# Altium PCB 400432.PcbDoc (part 1 of 6)
Units mil, origin at the board's own origin, x right, y up, seen from the top; angles counter-clockwise.
Board outline 5375 x 2500 mil, 4 copper layers (Top Layer, Mid-Layer 1, Mid-Layer 2, Bottom Layer), stack 59.252 mil thick; 366 components, 253 nets, 1494 pads, 1929 vias.
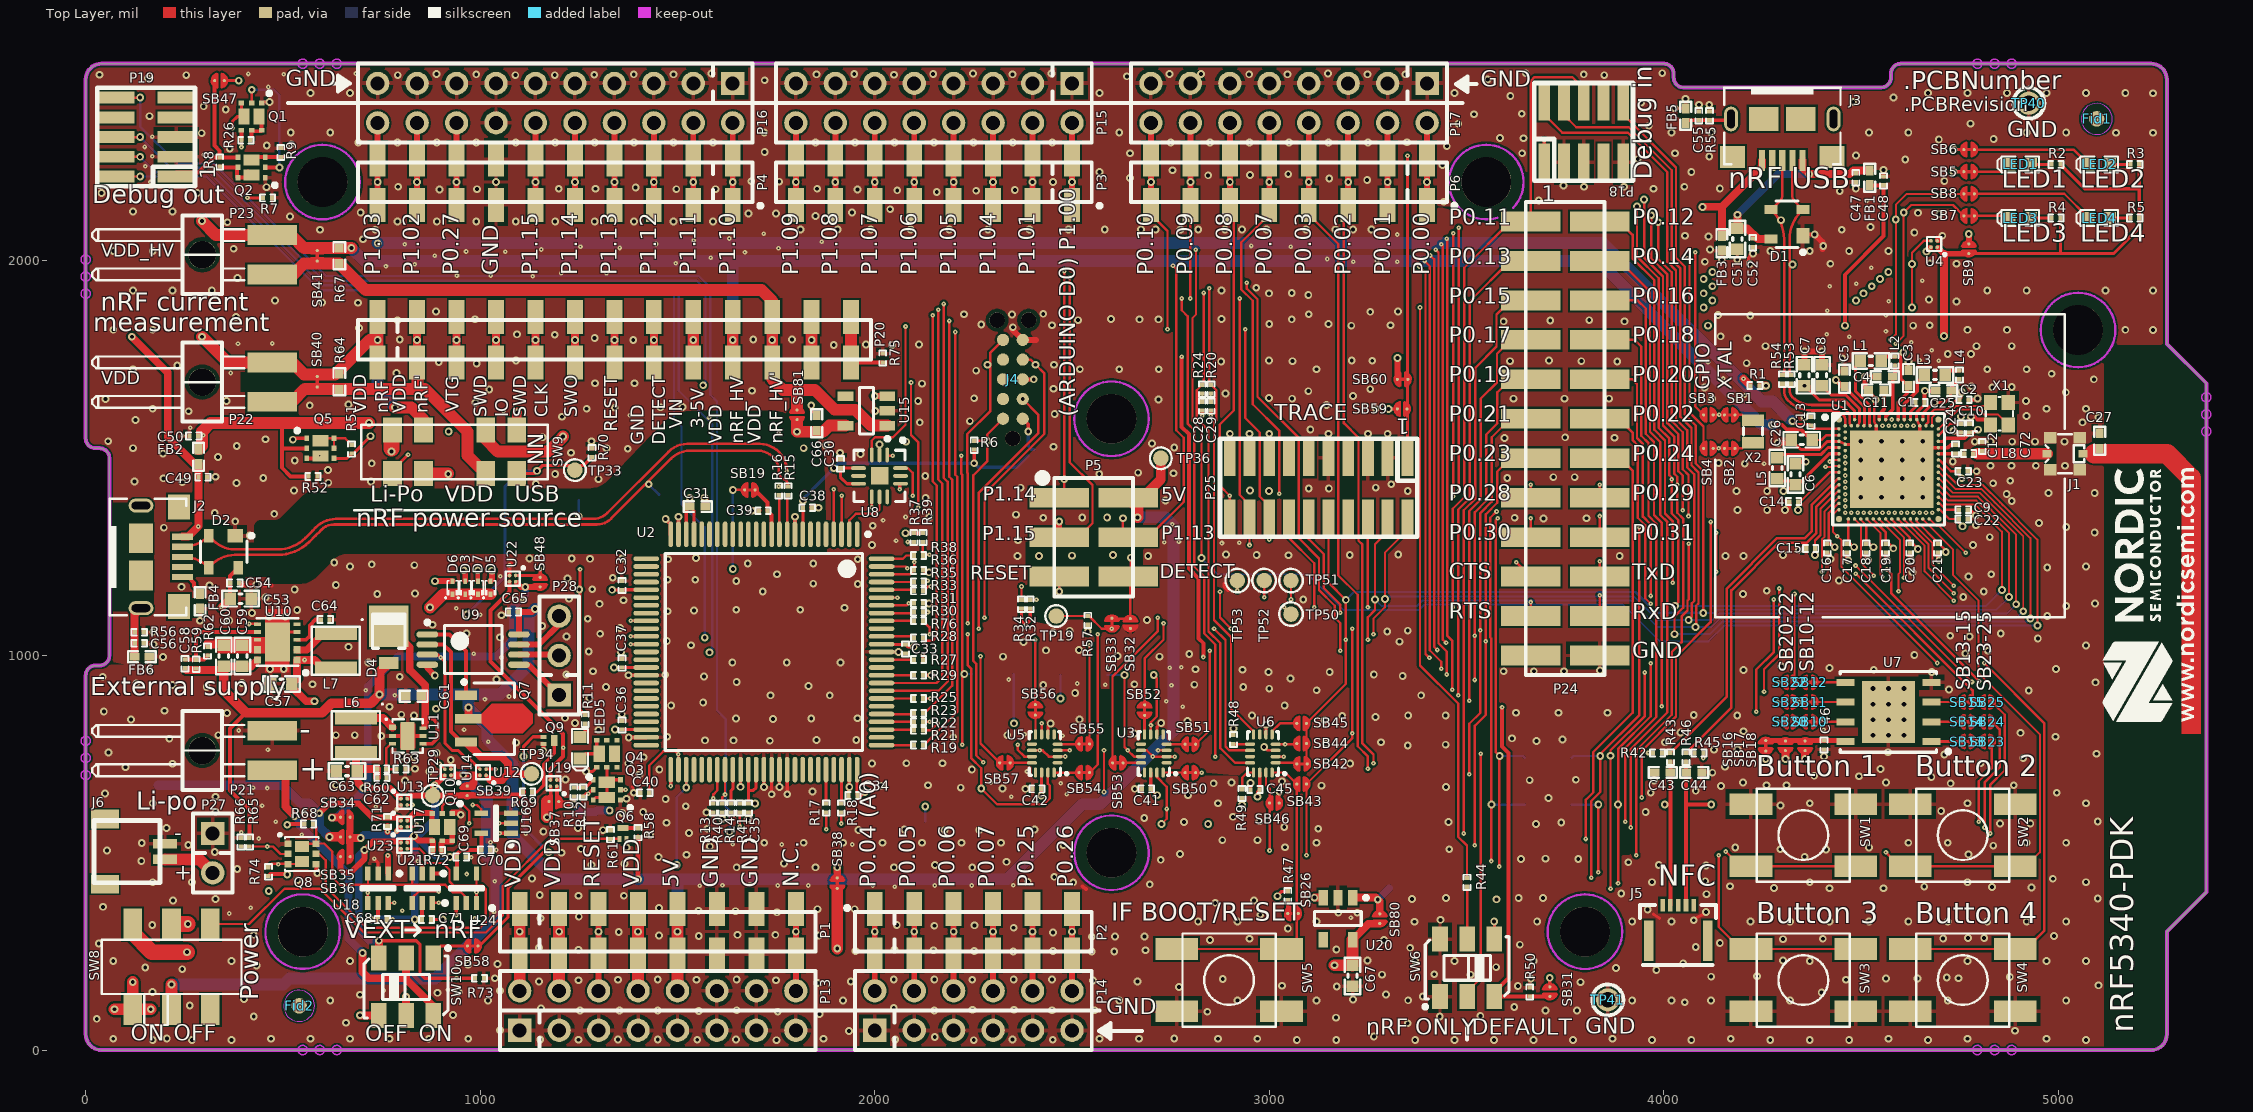
[diagram p0: Top Layer view]
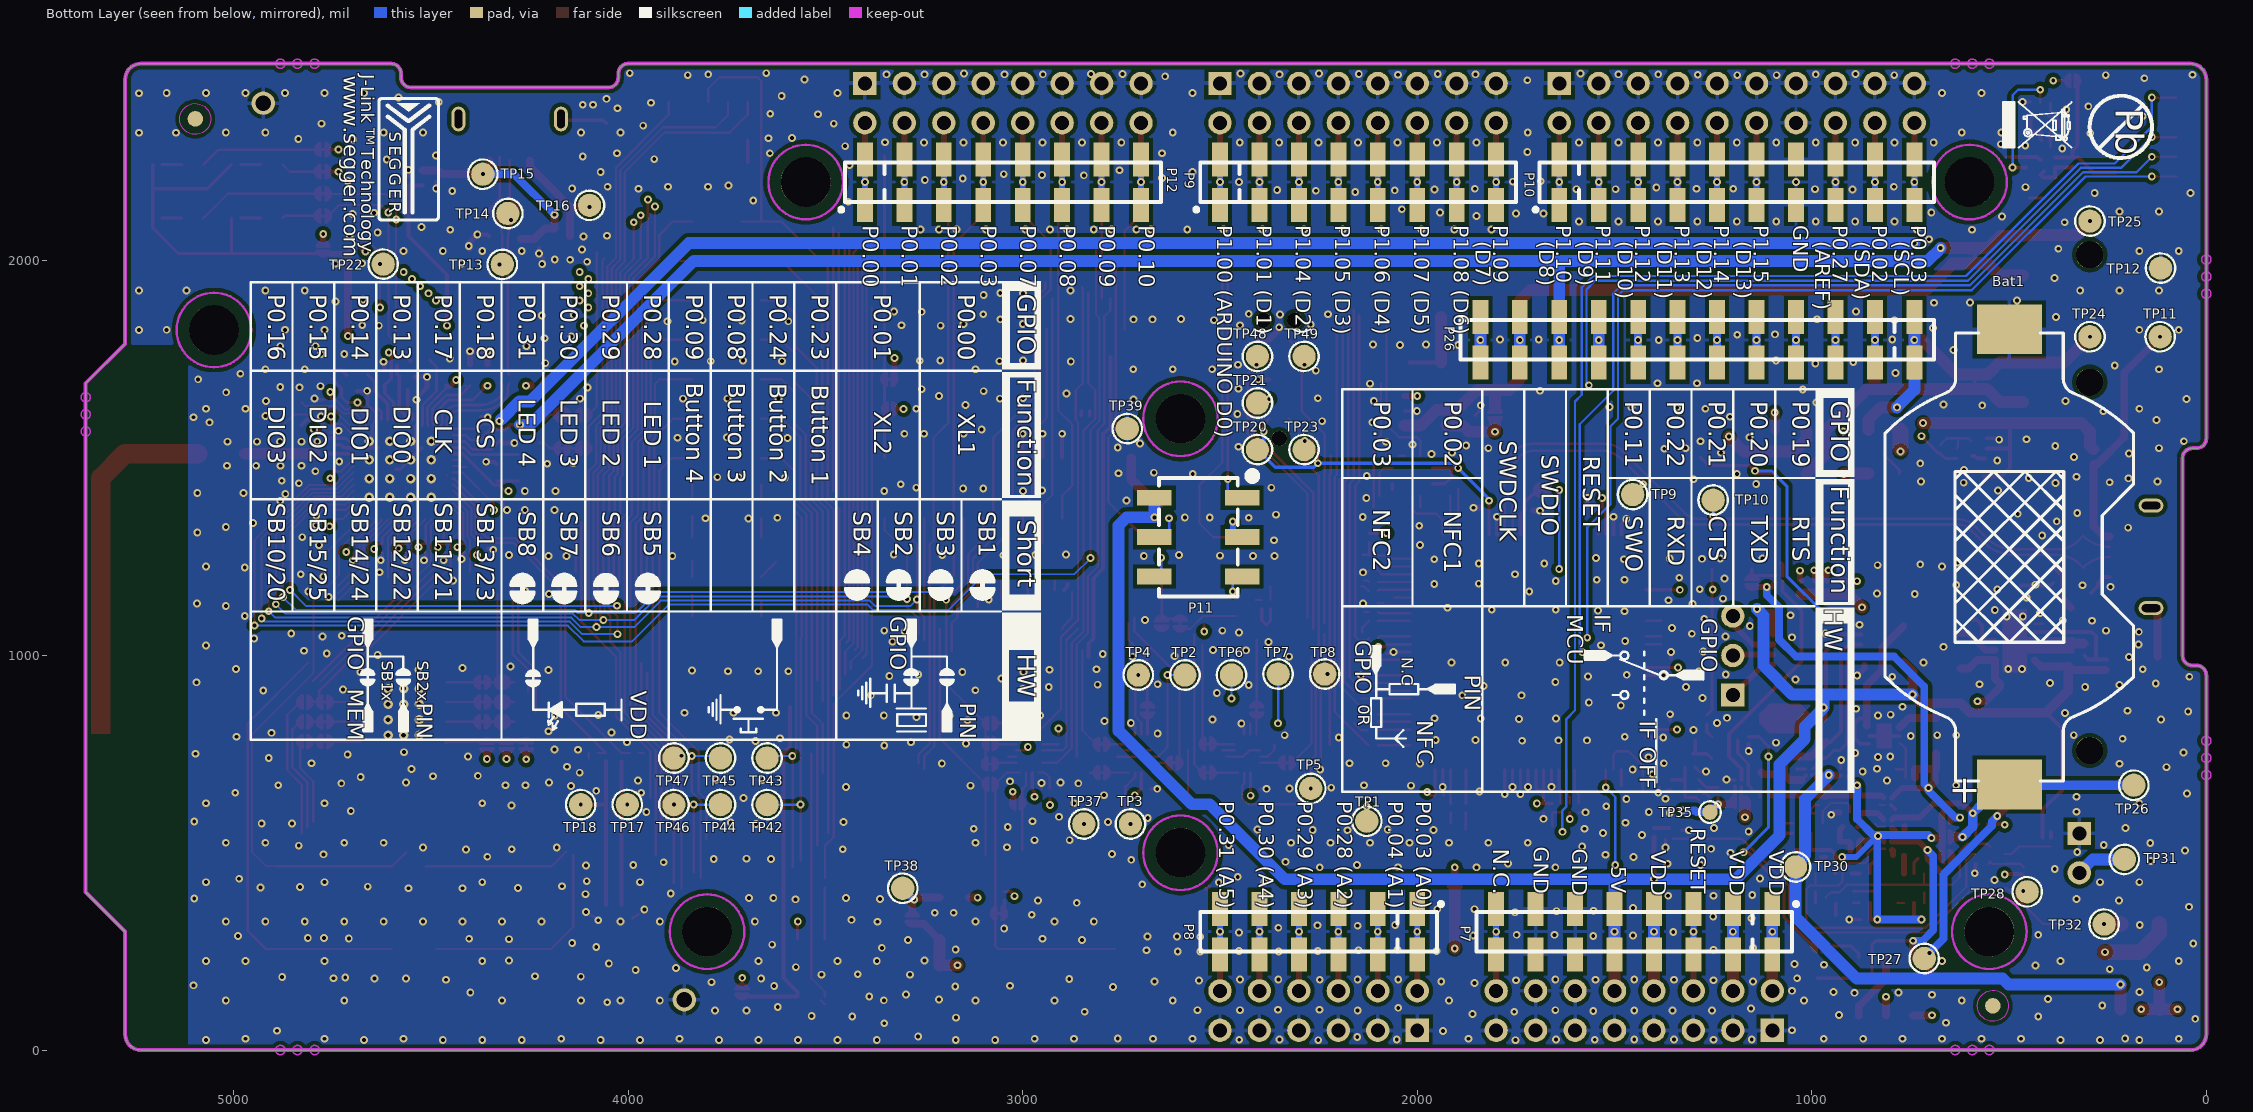
[diagram p1: Bottom Layer view, seen from below]
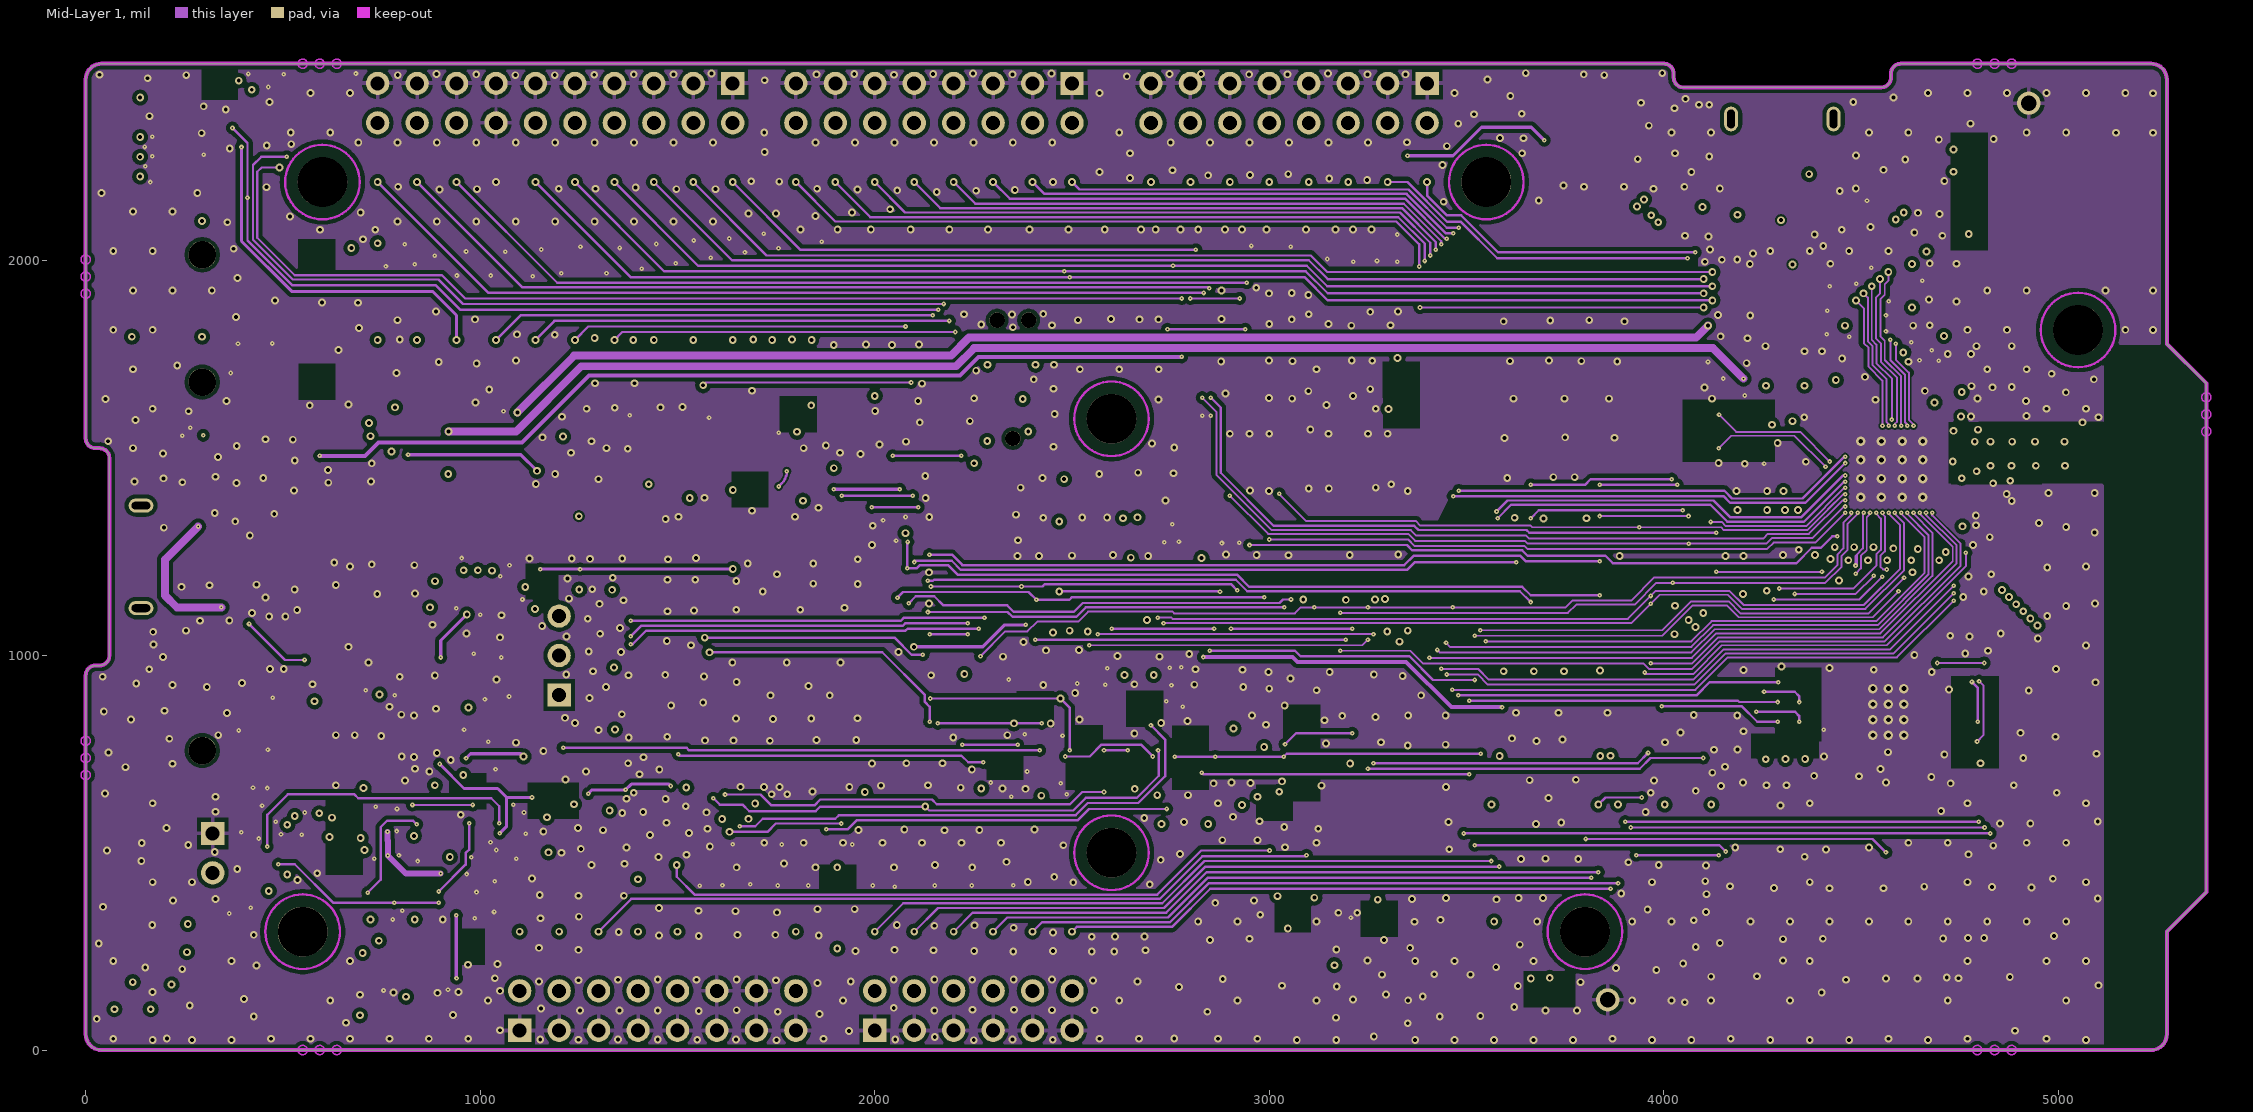
[diagram p2: Mid-Layer 1]
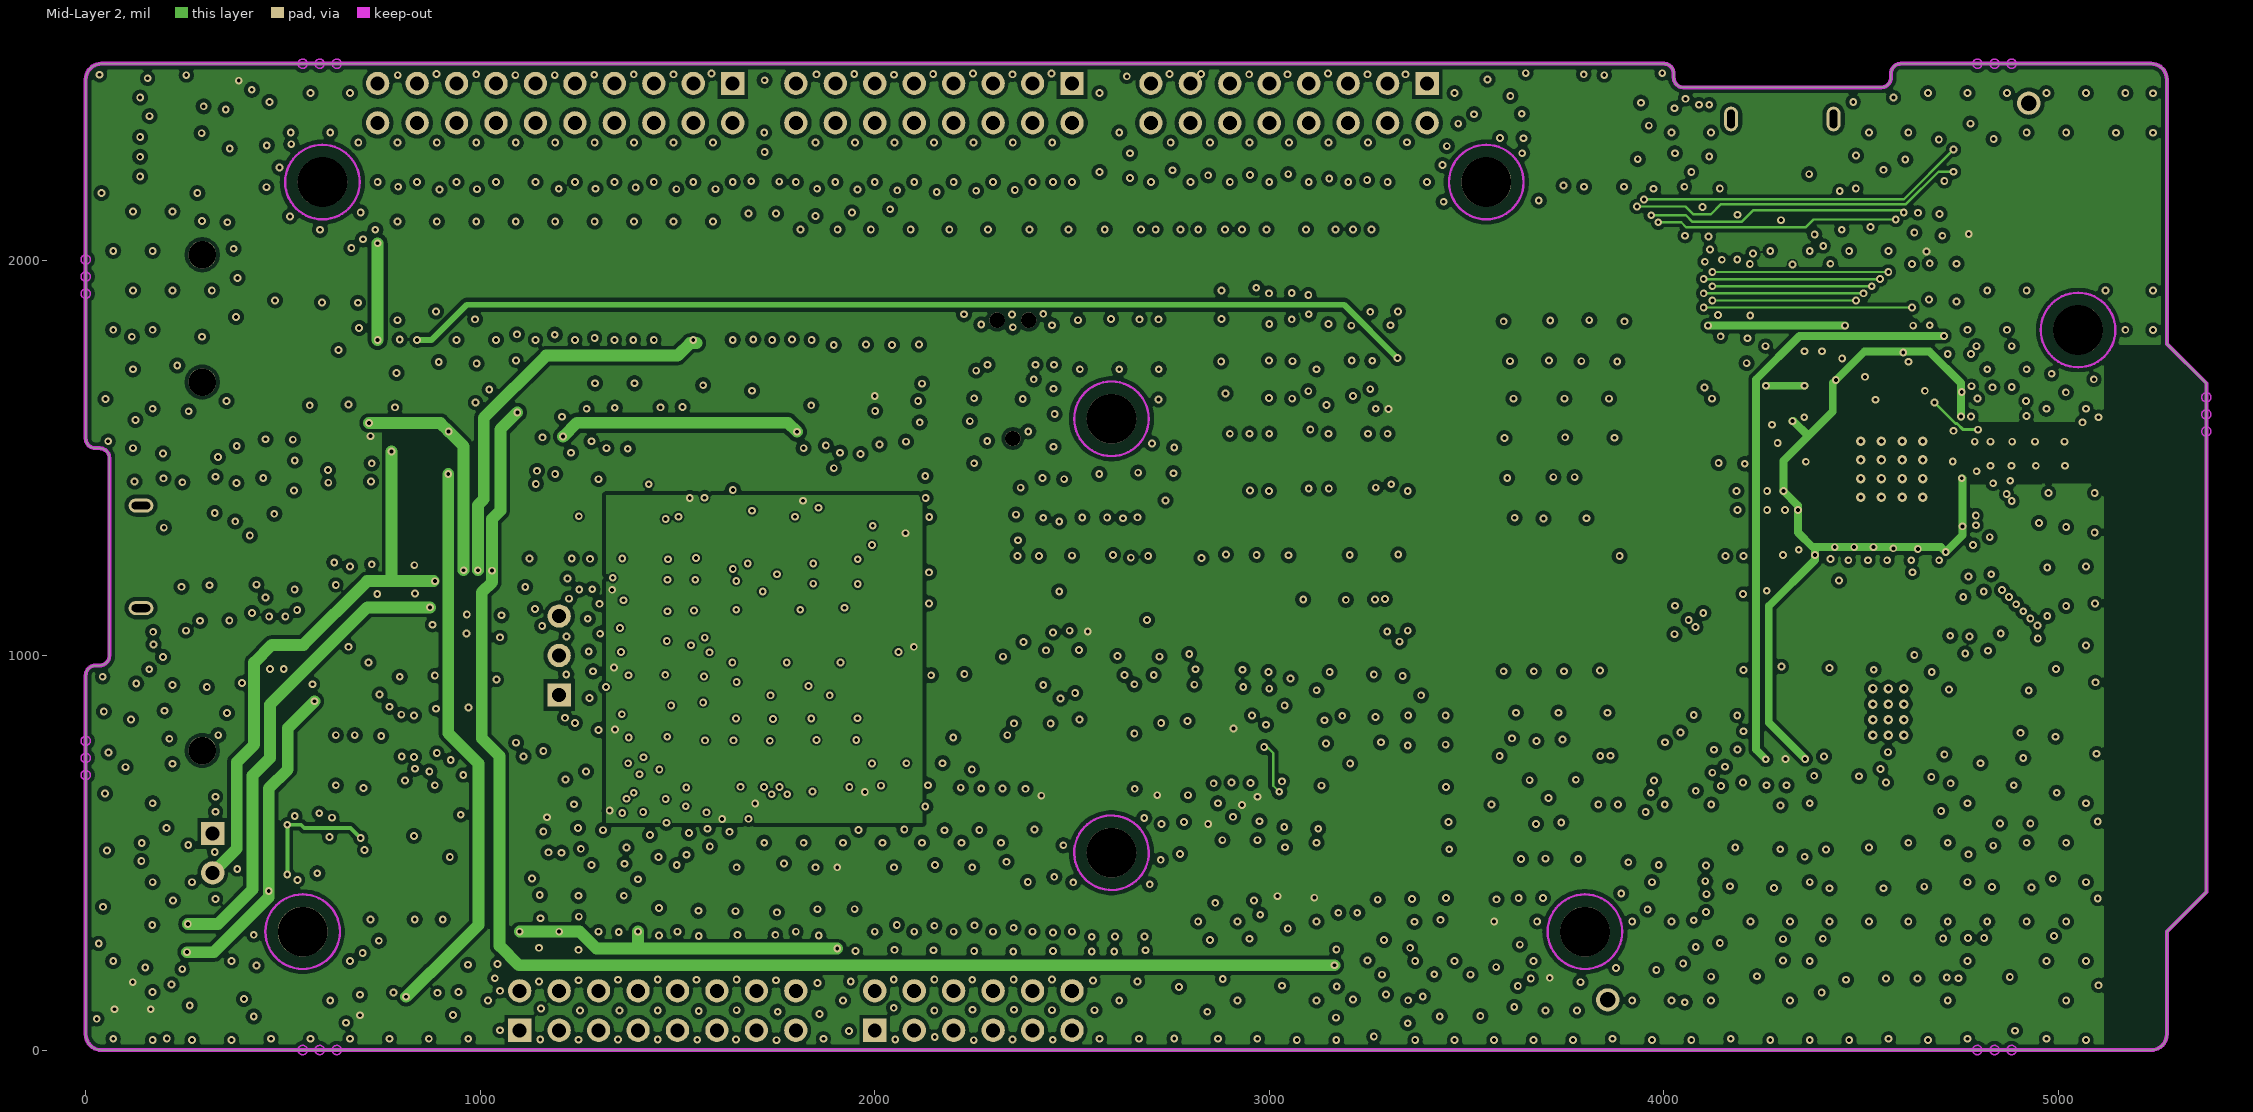
[diagram p3: Mid-Layer 2]
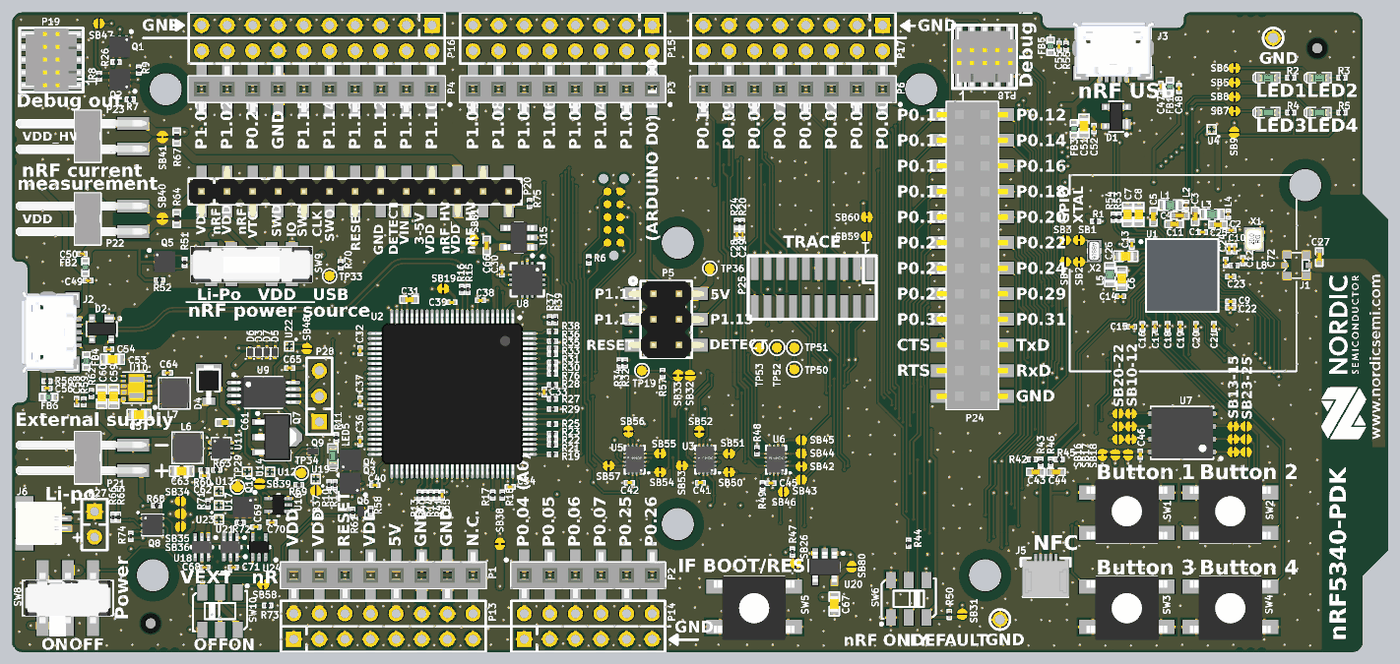
[diagram p9: 3D render of the assembled board from above, using the file's embedded part models]

## Layer stack, top to bottom
Top Solder: solder mask 1.8701, Solder Resist, Dk 3.5
Top Layer: signal copper 0.689
Dielectric1: prepreg 3.937, FR-4, Dk 3.72
Mid-Layer 1: signal copper 1.378
Dielectric2: core 47.2441, FR-4, Dk 3.72
Mid-Layer 2: signal copper 1.378
Dielectric3: prepreg 3.937, FR-4, Dk 3.72
Bottom Layer: signal copper 0.689
Bottom Solder: solder mask 1.8701, Solder Resist, Dk 3.5

## Board outline
0,40 0,949.6 cw(c25,949.6) 25,974.6 35,974.6 ccw(c35,999.6) 60,999.6 60,1500.4 ccw(c35,1500.4) 35,1525.4 25,1525.4 cw(c25,1550.4) 0,1550.4 0,2460 cw(c40,2460) 40,2500 3999.95,2500 cw(c3999.95,2475) 4024.95,2475 4024.95,2465 ccw(c4049.95,2465) 4049.95,2440 4550.76,2440 ccw(c4550.76,2465) 4575.76,2465 4575.76,2475 cw(c4600.76,2475) 4600.76,2500 5235,2500 cw(c5235,2460) 5275,2460 5275,1790 5375,1690 5375,400 5275,300 5275,40 cw(c5235,40) 5235,0 3833.05,0 3232.24,0 40,0 cw(c40,40)

## Design rules (kind name [scope] priority, off if disabled: settings)
Clearance Microvia_Clearance [AsMM(ViaDiameter) = 0.3 vs AsMM(ViaDiameter) = 0.3] p1: gap=3.94 ignorepadtopadclearanceinfootprint=FALSE
Clearance U1_Clearance [InRegionRelative(4428, 1328, 4700, 1611) vs OnTopLayer or OnLayer('Mid-Layer 1')] p2: gap=4 ignorepadtopadclearanceinfootprint=FALSE except(0: Arc-Hole Track-Hole SMDPad-Hole THPad-Hole Via-Hole Fill-Hole Poly-Hole Region-Hole Text-Hole)
Clearance USB_Poly_Clearance [InNamedPolygon('Top_Layer-GND') vs InDifferentialPair('D') or InDifferentialPair('D*')] p3: gap=70 ignorepadtopadclearanceinfootprint=FALSE
Clearance "NPTH clearance" [Not PadIsPlated And HoleSize > 0] p4: gap=9 ignorepadtopadclearanceinfootprint=FALSE except(0: Arc-Hole Track-Hole SMDPad-Hole THPad-Hole Via-Hole Fill-Hole Poly-Hole Region-Hole Text-Hole)
Clearance USB_Clearance [(InDifferentialPairClass('All Differential Pairs'))] p5: gap=4.92 ignorepadtopadclearanceinfootprint=FALSE except(0: Arc-Hole Track-Hole SMDPad-Hole THPad-Hole Via-Hole Fill-Hole Poly-Hole Region-Hole Text-Hole)
Clearance ANT_Clerance [InNet('RF') or InNet('ANT')] p6: gap=5 ignorepadtopadclearanceinfootprint=FALSE
Clearance Polygon_Clearance [(InNamedPolygon('Top_Layer-GND')) or (InNamedPolygon('Bottom_Layer-GND')) or (InNamedPolygon('Mid_Layer_1-GND')) or (InNamedPolygon('Mid_Layer_2-VDD'))] p7: gap=10 ignorepadtopadclearanceinfootprint=FALSE except(0: Arc-Hole Track-Hole SMDPad-Hole THPad-Hole Via-Hole Fill-Hole Poly-Hole Region-Hole Text-Hole)
Clearance SB_Clearance [HasFootprint('Solderbridge') or HasFootprint('QFN40P180X140X55-10N')] p8: gap=5 ignorepadtopadclearanceinfootprint=FALSE except(0: Arc-Hole Track-Hole SMDPad-Hole THPad-Hole Via-Hole Fill-Hole Poly-Hole Region-Hole Text-Hole)
Clearance CSP_Clearance [HasFootprint('BGA4C40P2X2_76X76X62')] p9: gap=5 ignorepadtopadclearanceinfootprint=FALSE except(0: Arc-Hole Track-Hole SMDPad-Hole THPad-Hole Via-Hole Fill-Hole Poly-Hole Region-Hole Text-Hole)
Clearance P23_Clearance [HasFootprint('FPC_05P-0.5mm-RA-SMD')] p10: gap=5 ignorepadtopadclearanceinfootprint=FALSE except(0: Arc-Hole Track-Hole SMDPad-Hole THPad-Hole Via-Hole Fill-Hole Poly-Hole Region-Hole Text-Hole)
Clearance PSON35P100X50-8N_Clearance [HasFootprint('PSON35P100X50-8N')] p11: gap=5.91 ignorepadtopadclearanceinfootprint=FALSE except(0: Arc-Hole Track-Hole SMDPad-Hole THPad-Hole Via-Hole Fill-Hole Poly-Hole Region-Hole Text-Hole)
Clearance Top_layer_Clearance [All vs OnLayer('Top Layer')] p12: gap=4.92 ignorepadtopadclearanceinfootprint=FALSE
Clearance [All] p13: gap=4.92 ignorepadtopadclearanceinfootprint=FALSE except(0: Arc-Hole Track-Hole SMDPad-Hole THPad-Hole Via-Hole Fill-Hole Poly-Hole Region-Hole Text-Hole)
ComponentClearance [All] p1 off: gap=10 collisioncheckmode=3 verticalgap=10 showdistances=FALSE
DiffPairsRouting [All] p1: maxlimit=7.6 minlimit=7.5 mostfreqgap=7.6 toplayer_minwidth=5.91 toplayer_maxwidth=6.5 toplayer_prefwidth=6.5 midlayer1_minwidth=5.91 midlayer1_maxwidth=6.5 midlayer1_prefwidth=6.5 midlayer2_minwidth=5.91 midlayer2_maxwidth=6.5 midlayer2_prefwidth=6.5 bottomlayer_minwidth=5.91 bottomlayer_maxwidth=6.5 bottomlayer_prefwidth=6.5 maxuncoupledlength=500
FabricationTestPointUsage TestPointUsage [All] p1: valid=0 allowmultiple=FALSE
FabricationTestpoint Testpoint [All] p1: side=3 testpointundercomponent=TRUE minsize=40 maxsize=100 preferedsize=60 minholesize=0 maxholesize=40 preferedholesize=32 testpointgrid=1 allowsidetop=TRUE allowsidebottom=TRUE usegrid=TRUE gridtolerance=0.01
Height [All] p1 off: minheight=0 maxheight=1000 prefheight=500
HoleSize [All] p1: absolutevalues=TRUE maxlimit=196.85 minlimit=3.94 maxpercent=80.000 minpercent=20.000
MinimumAnnularRing [All] p1 off: minimumring=6
MinimumSolderMaskSliver [All] p1: minsoldermaskwidth=3.94
NetAntennae NetAntennae_ANT [InNet('ANT')] p1: netantennaetolerance=1574.8
NetAntennae [All] p2: netantennaetolerance=0
PolygonConnect PolygonConnect_1 [isVia and innet(gnd) or isVia and innet('VDD') or HasFootprint('COAXIAL-SWF') or isVia and innet('VDD_SAM') or IsVia and InNet('VDD_IMCU') or InComponent('C72') and InNet('GND')] p1: connectstyle=Direct reliefconductorwidth=10 reliefentries=4 polygonreliefangle="90 Angle" airgapwidth=10
PolygonConnect [All] p2: connectstyle=Relief reliefconductorwidth=10 reliefentries=4 polygonreliefangle="90 Angle" airgapwidth=10
RoutingVias [All] p1: holewidth=9.84 width=19.68 viastyle="Through Hole" minholewidth=3.94 minwidth=11.81 maxholewidth=12 maxwidth=24 useviatemplates=TRUE viatemplateguid#1={E35AE939-F934-47DD-992D-1AD822829A55} viatemplateguid#2={E7820E6A-AF3B-4809-9E1F-1C77E2FA0F36} viatemplatename#1=v30h10m0 viatemplatename#2=v50h25m0mx0
SilkToSolderMaskClearance SilkscreenOverComponentPads [IsPad] p1: minsilkscreentomaskgap=10 clearancetoexposedcopper=TRUE
SolderMaskExpansion [All] p1: expansion=3
UnpouredPolygon [All] p1 off:
Width Width_Diff [(InDifferentialPairClass('All Differential Pairs'))] p1: maxlimit=6.5 minlimit=5.91 preferedwidth=6.5
Width [All] p2: maxlimit=400 minlimit=4 preferedwidth=6 minimp=50.000000 maximp=50.000000 favimp=50.000000
20 further rules are at their usual default settings.

## Classes and differential pairs
component class pca10095_sheet6_power_supply: Bat1 C57 C58 C59 C60 C61 C62 C63 C64 C65 C66 C67 C68 C69 C70 C71 D3 D4 D5 D6 D7 L6 L7 P21 P22 P23 Q6 Q7 Q8 Q9 Q10 R58 R59 R60 R61 R62 R63 R64 R65 R66 R67 R68 R69 R70 R71 R72 R73 R74 SB34 SB35 SB36 SB37 SB38 SB39 SB40 SB41 SB48 SB58 SB80 SB81 SW8 SW9 SW10 TP24 TP25 TP26 TP27 TP28 TP29 TP30 TP32 TP33 TP34 TP35 TP36 TP37 TP38 TP39 TP40 TP41 U9 U10 U11 U12 U13 U14 U15 U16 U17 U18 U19 U20 U21 U22 U23 U24
component class pca10095_sheet5_connectors: C47 C48 C49 C50 C51 C52 C53 C54 C55 C56 D1 D2 FB1 FB2 FB3 FB4 FB5 FB6 J2 J3 J5 J6 P1 P2 P3 P4 P5 P6 P7 P8 P9 P10 P11 P12 P13 P14 P15 P16 P17 P18 P19 P20 P24 P25 P26 P27 R53 R54 R55 R56 R57 R75 SB32 SB33 SB47 SB59 SB60 TP9 TP10 TP11 TP12 TP13 TP14 TP15 TP16 TP17 TP18 TP19 TP31 TP42 TP43 TP44 TP45 TP46 TP47
component class pca10095_sheet4_misc: C41 C42 C43 C44 C45 C46 LED1 LED2 LED3 LED4 P28 Q5 R2 R3 R4 R5 R43 R44 R46 R47 R48 R49 R50 R51 R52 SB5 SB6 SB7 SB8 SB9 SB16 SB17 SB18 SB26 SB31 SB42 SB43 SB44 SB45 SB46 SB50 SB51 SB52 SB53 SB54 SB55 SB56 SB57 SW1 SW2 SW3 SW4 SW5 SW6 TP1 TP2 TP3 TP4 TP5 TP6 TP7 TP8 TP22 U3 U4 U5 U6 U7
component class pca10095_sheet3_interface_mcu: C30 C31 C32 C33 C34 C35 C36 C37 C38 C39 C40 J4 LED5 Q1 Q2 Q3 Q4 R6 R7 R8 R9 R10 R11 R12 R13 R14 R15 R16 R17 R18 R19 R21 R22 R23 R25 R26 R27 R28 R29 R30 R31 R32 R33 R34 R35 R36 R37 R38 R39 R40 R41 R76 SB19 TP20 TP21 TP23 TP48 TP49 TP50 TP51 TP52 TP53 U2 U8
component class pca10095_sheet2_nrf5340_mcu: C1 C2 C3 C4 C5 C6 C7 C8 C9 C10 C11 C12 C13 C14 C15 C16 C17 C18 C19 C20 C21 C22 C23 C24 C25 C26 C27 C28 C29 C72 J1 L1 L2 L3 L4 L5 L8 R1 R20 R24 R42 R45 SB1 SB2 SB3 SB4 SB10 SB11 SB12 SB13 SB14 SB15 SB20 SB21 SB22 SB23 SB24 SB25 U1 X1 X2
component class pca10095_sheet1_cover: Fid1 Fid2
differential pair USB0: +USB0_P -USB0_N
differential pair D: +D_P -D_N
differential pair D*: +D*_P -D*_N
differential pair DHSD: +DHSD_P -DHSD_N

## Components (designator, comment, footprint, x,y, rotation, side; value= is the part's Value field where it differs from the comment)
Bat1 "Bat Holder CR2032" L-KLS5-CR2032-23-B1 499,1250 r90 bottom
C1 "100nF" CAPC0603X03L_C 4649.47,1641.29 r0 top
C2 "1.0µF" CAPC1005X04L 4708.76,1670.82 r0 top
C3 "1.0µF" CAPC1005X04L 4620.18,1703.3 r90 top
C4 "1.0µF" CAPC1005X04L 4560.14,1706.45 r0 top
C5 "1.0µF" CAPC1005X04L 4457.78,1701.33 r270 top
C6 "2.2µF" CAPC1608X06L 4333.76,1459.21 r90 top
C7 "4.7µF" CAPC1608X06L 4356.4,1710.39 r90 top
C8 "4.7µF" CAPC1608X06L 4400.69,1710.39 r90 top
C9 "820pF" CAPC0603X03L_C 4758.96,1369.64 r180 top
C10 "100pF" CAPC0603X03L_C 4774.71,1576.33 r90 top
C11 "1.0µF" CAPC1005X04L 4538.49,1672.98 r0 top
C12 "0.7pF" CAPC0603X03L_C 4739.28,1523.18 r270 top
C13 "100nF" CAPC0603X03L_C 4373.13,1594.05 r90 top
C14 "100nF" CAPC0603X03L_C 4329.04,1390.03 r180 top
C15 "N.C." CAPC0603X03L_C 4372.15,1271.21 r180 top
C16 "100nF" CAPC0603X03L_C 4414.47,1272.2 r270 top
C17 "N.C." CAPC0603X03L_C 4463.69,1272.2 r270 top
C18 "N.C." CAPC0603X03L_C 4512.9,1272.2 r270 top
C19 "100nF" CAPC0603X03L_C 4562.11,1272.2 r270 top
C20 "N.C." CAPC0603X03L_C 4623.14,1272.2 r270 top
C21 "100nF" CAPC0603X03L_C 4694,1272.2 r270 top
C22 "N.C." CAPC0603X03L_C 4759,1346 r0 top
C23 "100nF" CAPC0603X03L_C 4759,1467 r0 top
C24 "100nF" CAPC0603X03L_C 4753.06,1576.33 r270 top
C25 "100nF" CAPC0603X03L_C 4760.93,1648.18 r0 top
C26 "4.7µF" CAPC1608X06L 4349.51,1546.8 r180 top
C27 "1.2pF" CAPC1005X04L 5105,1544 r90 top
C28 "N.C." CAPC0603X03L_C 2830,1632 r90 top
C29 "N.C." CAPC0603X03L_C 2852,1632 r90 top
C30 "100nF" CAPC0603X03L_C 1913,1486 r90 top
C31 "4.7µF" CAPC1005X04L 1551,1377.61 r180 top
C32 "100nF" CAPC0603X03L_C 1359,1177.61 r270 top
C33 "100nF" CAPC0603X03L_C 2078,1016.61 r90 top
C34 "100nF" CAPC0603X03L_C 1945,645 r180 top
C35 "100nF" CAPC0603X03L_C 1680,613.61 r90 top
C36 "100nF" CAPC0603X03L_C 1359,823.61 r270 top
C37 "100nF" CAPC0603X03L_C 1359,980.61 r270 top
C38 "100nF" CAPC0603X03L_C 1829,1374.61 r180 top
C39 "100nF" CAPC0603X03L_C 1717,1367 r180 top
C40 "10nF" CAPC0603X03L_C 1417,652 r0 top
C41 "100nF" CAPC0603X03L_C 2688.33,662 r0 top
C42 "100nF" CAPC0603X03L_C 2411,662 r0 top
C43 "300pF" CAPC1005X04L 3997,703.73 r180 top
C44 "300pF" CAPC1005X04L 4077,703.73 r180 top
C45 "100nF" CAPC0603X03L_C 2963.67,660 r0 top
C46 "100nF" CAPC0603X03L_C 4406.3,773 r90 top
C47 "10nF" CAPC0603X03L_C 4486.73,2210.97 r90 top
C48 "100nF" CAPC0603X03L_C 4557,2203 r270 top
C49 "10nF" CAPC0603X03L_C 297,1452 r0 top
C50 "100nF" CAPC0603X03L_C 274,1556 r0 top
C51 "10µF" CAPC1608X06L 4186.43,2055.97 r90 top
C52 "100nF" CAPC0603X03L_C 4225.43,2045.97 r90 top
C53 "10µF" CAPC1608X06L 392.61,1144 r180 top
C54 "100nF" CAPC0603X03L_C 377.61,1184 r180 top
C55 "100nF" CAPC0603X03L_C 4088.75,2367.89 r270 top
C56 "100nF" CAPC0603X03L_C 135.84,1031 r180 top
C57 "10µF" CAPC1608X06L 496,928 r0 top
C58 "15pF" CAPC0603X03L_C 252,979 r270 top
C59 "10µF" CAPC1608X06L 397,999 r270 top
C60 "10µF" CAPC1608X06L 350,999 r270 top
C61 "4.7µF" CAPC1005X04L 831,897 r0 top
C62 "150pF" CAPC0603X03L_C 751,690 r180 top
C63 "10µF" CAPC1608X06L 662,707 r0 top
C64 "470nF" CAPC0603X03L_C 607,1091 r180 top
C65 "100nF" CAPC0603X03L_C 1084,1110 r0 top
C66 "1.0µF" CAPC1005X04L 1853,1589 r270 top
C67 "1.0µF" CAPC1608X06L 3211,188 r90 top
C68 "100nF" CAPC0603X03L_C 752,331 r180 top
C69 "100nF" CAPC0603X03L_C 952,489 r180 top
C70 "100nF" CAPC0603X03L_C 1014,507 r180 top
C71 "100nF" CAPC0603X03L_C 864,331 r180 top
C72 "N.C." CAPC0603X03L_C 4807,1529.78 r270 top
D1 "PRTR5V0U2X" SOT190P230X110-4L 4312.24,2092.92 r180 top
D2 "PRTR5V0U2X" SOT190P230X110-4L 349.61,1263 r270 top
D3 "NSR0620P2T5G" SODFL100X40-2N 962,1171.87 r90 top
D4 "MBRM110E" DO-216AA 768,1046 r270 top
D5 "NSR0620P2T5G" SODFL100X40-2N 1026,1171.87 r90 top
D6 "NSR0620P2T5G" SODFL100X40-2N 930,1171.87 r90 top
D7 "NSR0620P2T5G" SODFL100X40-2N 994,1171.87 r90 top
FB1 "120R/0.55A" INDC1005X04L 4521.73,2210.97 r270 top
FB2 "120R/0.55A" INDC1005X04L 286,1504 r90 top
FB3 "120R/0.55A" INDC1005X04L 4147.43,2044.97 r270 top
FB4 "120R/0.55A" INDC1005X04L 290,1137.7 r270 top
FB5 "120R/0.55A" INDC1005X04L 4055.75,2367.89 r90 top
FB6 "120R/0.55A" INDC1005X04L 142.57,996.73 r0 top
Fid1 "Fiducial mark" Fiducial 5097.28,2360 r180 top
Fid2 "Fiducial mark" Fiducial 541.05,112 r0 top
J1 "MM8130-2600" COAXIAL-SWF 5016.67,1511.46 r90 top
J2 "MicroUSB-B" USB-Micro-B-RA-SMD-PiP 245.35,1250 r0 top
J3 "MicroUSB-B" USB-Micro-B-RA-SMD-PiP 4300.35,2254.65 r270 top
J4 "TC2050-IDC" TC2050-IDC-NLFP 2350,1700 r90 top
J5 "FPC 0.5mm RA SMD" FPC_05P-0.5mm-RA-SMD 3996.99,367.25 r0 top
J6 "HDR-2, 1mm" SM02B-SRSS-TB 201,503 r270 top
L1 "10µH" INDC1608X06L 4524.71,1746.61 r180 top
L2 "15nH" INDC0603X03L_C 4585.73,1746.61 r90 top
L3 "10µH" INDC1608X06L 4687.11,1711.17 r180 top
L4 "15nH" INDC0603X03L_C 4749.12,1711.17 r90 top
L5 "10µH" INDC1608X06L 4287.51,1474.95 r90 top
L6 "4.7µH" TY-NR3015 685,798 r270 top
L7 "2.2µH" TY-NR3015 634,1012 r270 top
L8 "0R" RESC0603X03L_C 4772.68,1511.68 r0 top
LED1 "L0603G" LED_0603_G 4903.83,2244.73 r0 top
LED2 "L0603G" LED_0603_G 5103.83,2244.73 r0 top
LED3 "L0603G" LED_0603_G 4903.83,2108.73 r0 top
LED4 "L0603G" LED_0603_G 5103.83,2108.73 r0 top
LED5 "L0603G" LED_0603_G 1253,766 r90 top
P1 "Socket 1x8" SOCKET_1x8_SMD 1100,300 r0 top locked
P2 "Socket 1x6" SOCKET_1x6_SMD 2000,300 r0 top locked
P3 "Socket 1x8" SOCKET_1x8_SMD 2500,2200 r180 top locked
P4 "Socket 1x10" SOCKET_1x10_SMD 1640,2200 r180 top locked
P5 "Pin Hdr 2x3" HDR_2x3-SMD 2555,1300 r270 top locked
P6 "Socket 1x8" SOCKET_1x8_SMD 3400,2200 r180 top locked
P7 "Pin List 1x8" LIST_1x8_SMD-NC 1100,300 r0 bottom locked
P8 "Pin List 1x6" LIST_1x6_SMD-NC 2000,300 r0 bottom locked
P9 "Pin List 1x8" LIST_1x8_SMD-NC 2500,2200 r180 bottom locked
P10 "Pin List 1x10" LIST_1x10_SMD-NC 1640,2200 r180 bottom locked
P11 "Socket 2x3" SOCKET_2x3_SMD-2.54mm-bottom-NC 2555,1300 r270 top locked